# Altium PCB MLB_REV1.PcbDoc (part 3 of 3) (continued)
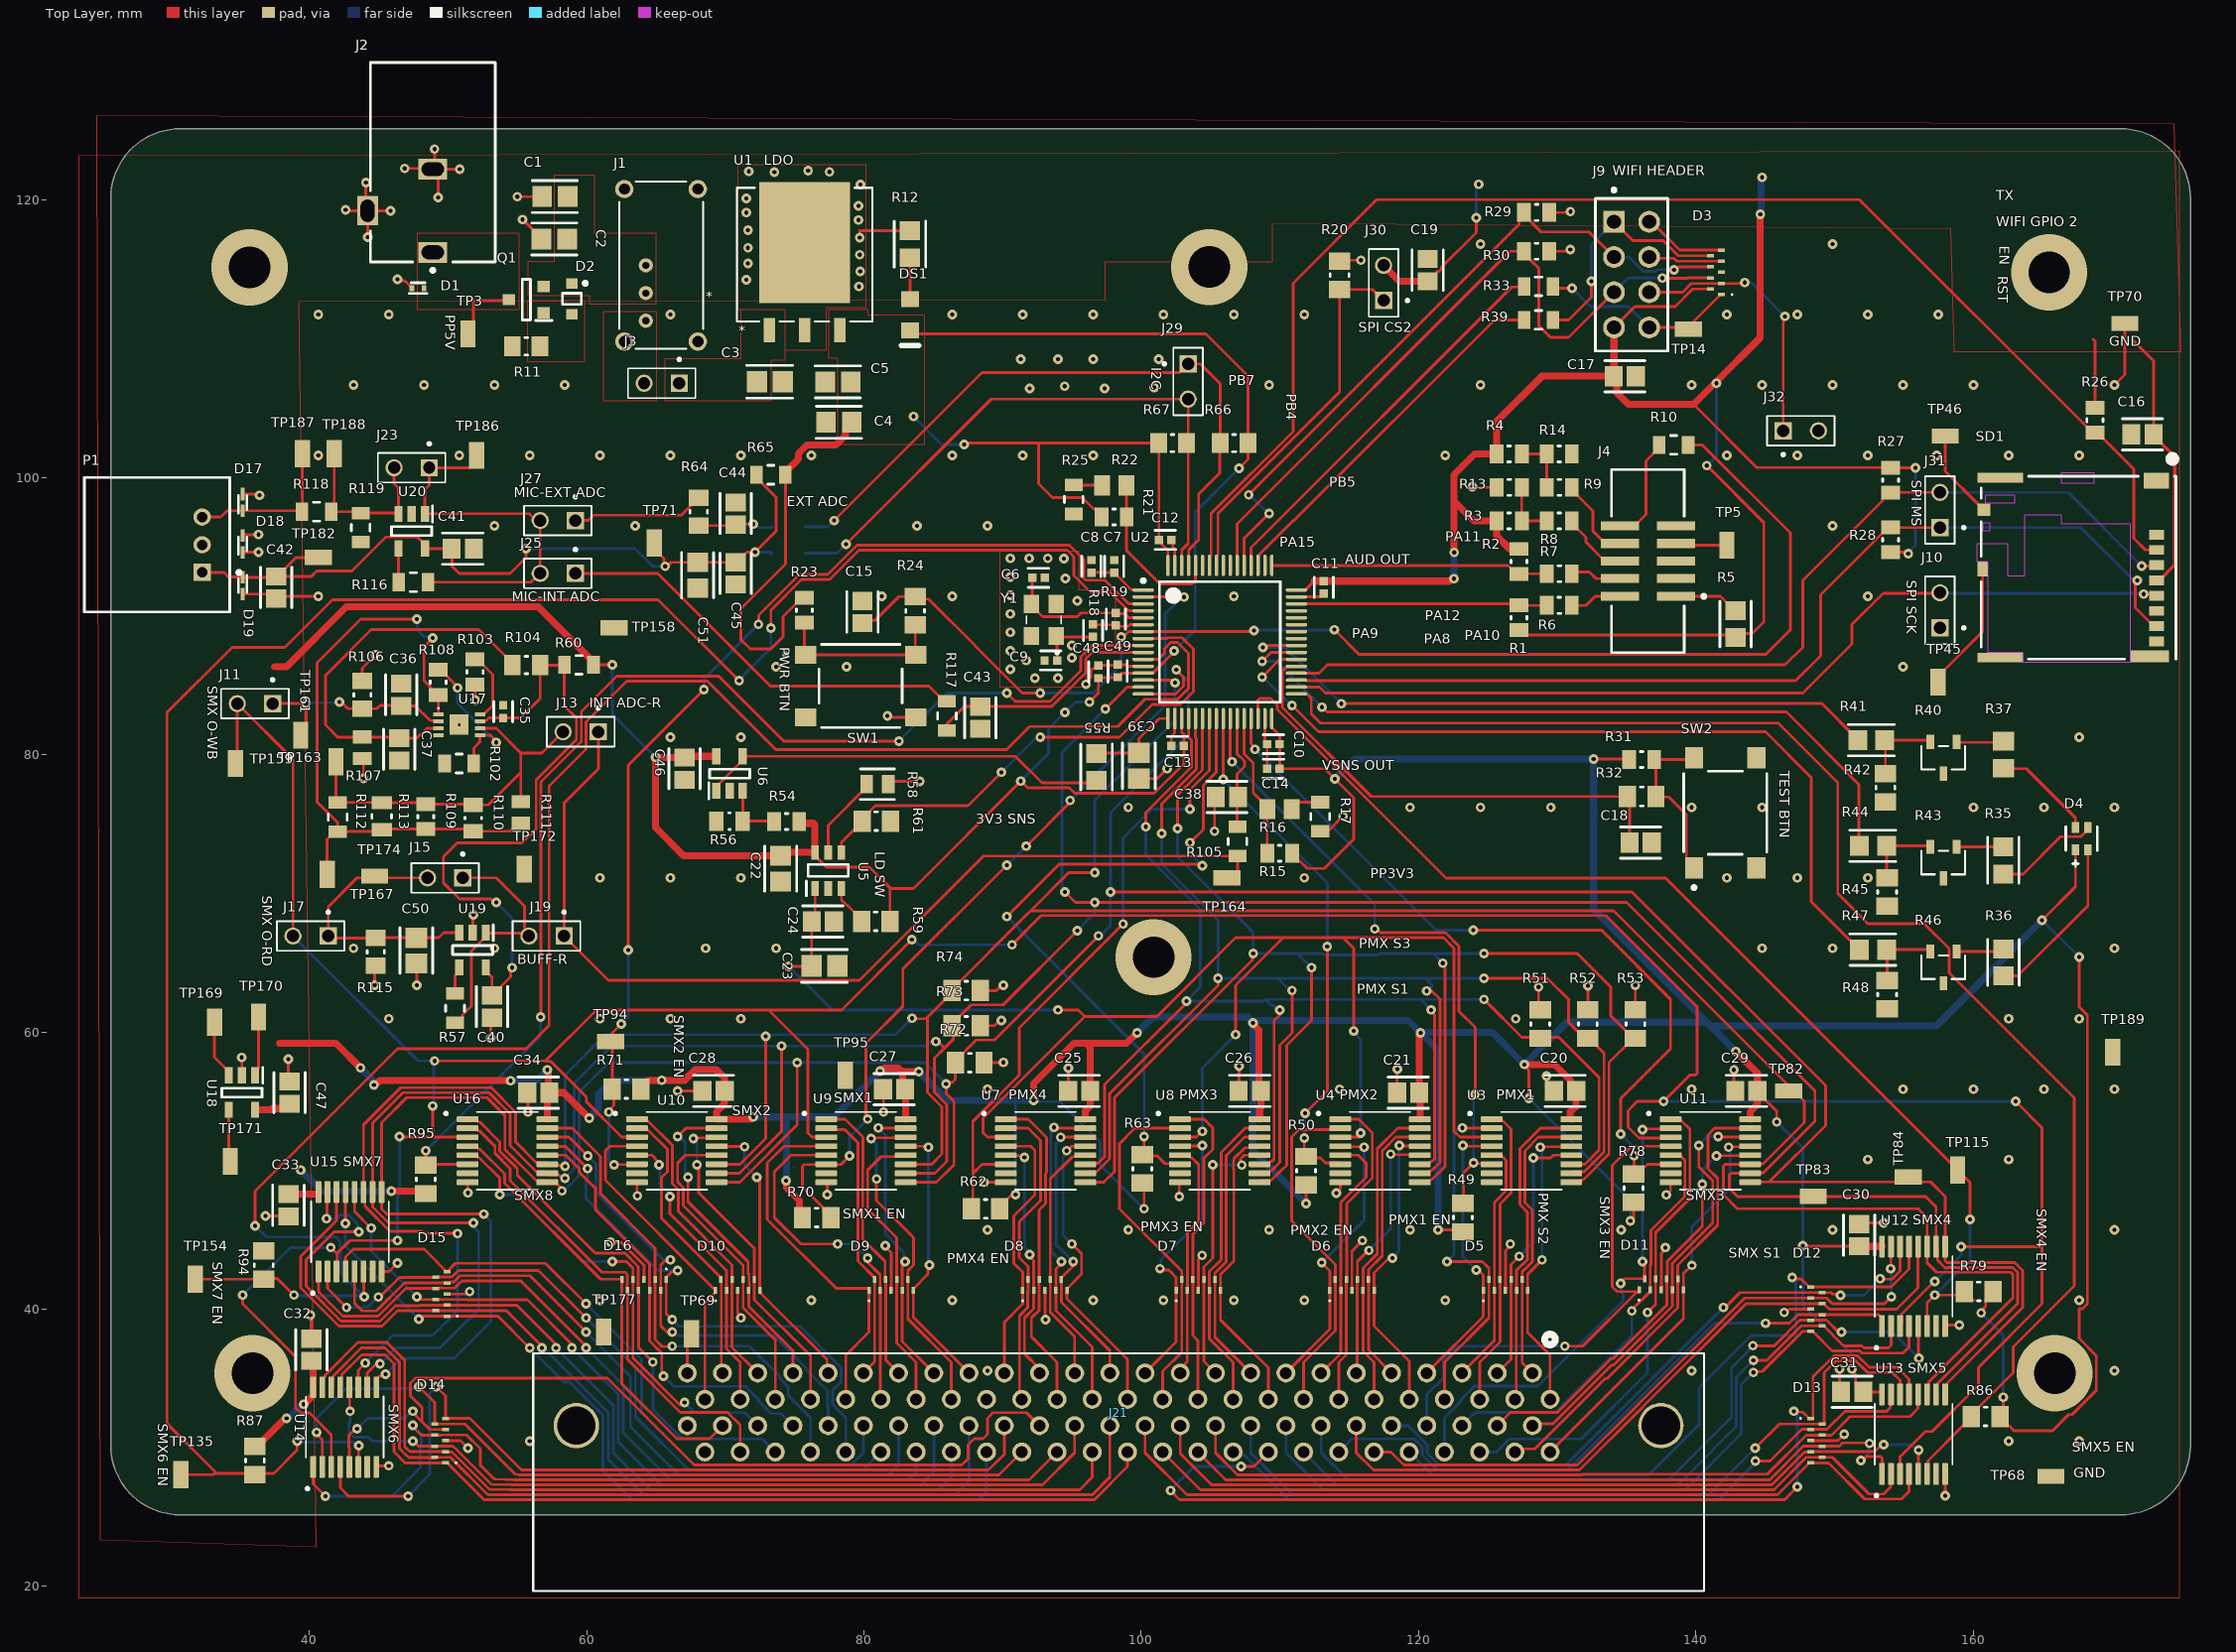
[diagram p0: Top Layer view]
## Nets (pads, with @x,y where several pads share a name; then routed paths per layer and width w, separated by ;. In a path a pad name is that pad's centre, name@x,y a point inside that pad or via, vN(x,y) a via of type N, cw(c..) or ccw(c..) an arc to the next point about the centre after c; other vN are vias at no path point) (continued)
  Bottom Layer w0.203: v1(41.148,26.516) 45.947,26.516 48.006,28.575 48.006,30.165 48.071,30.23 48.071,31.019 v1(47.467,31.623)
SENSE_MUX6_Y5: D14.4 J21.80 U14.5 | length 65.1
  Top Layer w0.203: U14.5@42.87,28.626 42.87,30 42.83,30.04 42.83,30.903 42.974,31.047 42.978,31.047 43.3,31.369 v1(43.434,31.369) ; v1(47.467,32.639) 47.467,32.539 48.122,31.884 ; D14.4@49.822,31.318 48.688,31.318 48.122,31.884 ; J21.80@92.651,31.6 91.713,32.538 89.307,32.538 88.9,32.131 88.9,30.988 88.574,30.662 87.939,30.662 87.503,30.226 87.503,29.21 87.055,28.762 67.758,28.762 61.499,35.021 47.629,35.021 47.275,34.667 47.275,33.757 48.122,32.91 48.122,31.884
  Bottom Layer w0.203: v1(43.434,31.369) 44.196,32.131 46.736,32.131 46.821,32.216 46.964,32.216 47.388,32.639 v1(47.467,32.639)
SENSE_MUX6_Y6: D14.6 J21.81 U14.2 | length 59.7
  Top Layer w0.203: v1(40.513,31.115) 40.513,31.003 40.92,30.596 U14.2@40.92,28.626 ; v1(47.879,34.417) 49.022,33.274 D14.6@49.022,31.718 51.213,31.718 54.826,28.105 55.126,28.049 55.144,28.046 89.128,28.046 89.727,28.046 J21.81@91.381,29.7
  Bottom Layer w0.203: v1(40.513,31.115) 40.513,32.131 42.649,34.267 47.512,34.267 47.567,34.322 47.784,34.322 v1(47.879,34.417)
SENSE_MUX6_Y7: D14.5 J21.82 U14.4 | length 86.6
  Top Layer w0.203: U14.4@42.22,28.626 42.22,27.122 42.826,26.516 v1(47.117,26.516) ; v1(49.149,34.417) 49.822,33.744 D14.5@49.822,32.118 51.575,32.118 55.292,28.401 ; J21.82@90.111,31.6 90.111,29.532 88.98,28.401 77.057,28.401 55.292,28.401 ; 55.292,28.401 67.442,28.401 55.292,28.401
  Bottom Layer w0.203: v1(47.117,26.516) 48.675,28.074 48.675,33.943 v1(49.149,34.417)
SENSE_MUX7_EN_L: R94.1 TP154.1 U2.11 U15.6 | length 132.9
  Top Layer w0.203: TP154.1@31.75,42.164 36.612,42.164 36.703,42.255 36.739,42.219 37.664,42.219 38.863,41.02 v1(38.881,41.02) ; v1(36.079,46.022) 36.079,48.525 46.355,58.801 55.626,58.801 57.277,60.452 57.277,77.724 59.959,80.406 59.959,82.386 62.886,85.313 68.703,85.313 73.641,80.375 90.281,80.375 91.948,82.042 98.298,82.042 100.265,84.009 102.606,84.009 103.397,84.799 103.397,87.312 102.612,88.096 102.112,88.096 101.665,87.65 101.665,87.335 101.219,86.888 U2.11@100.139,86.888 ; U15.6@43.901,42.723 43.921,42.702 43.921,40.915 v1(43.942,40.894)
  Bottom Layer w0.203: v1(36.079,46.022) 36.889,45.212 41.91,45.212 42.233,44.889 42.233,42.603 v1@43.879,40.957 ; v1(38.881,41.02) 38.944,40.957 v1@43.879,40.957 ; v1(43.942,40.894) v1@43.879,40.957
SENSE_MUX7_Y0: D15.1 J21.83 U15.13 | length 63.3
  Top Layer w0.203: v1(42.589,46.197) 42.601,46.209 U15.13@42.601,48.463 ; v1(47.879,39.293) 47.969,39.293 48.173,39.497 D15.1@49.911,39.497 53.594,39.497 v1(55.88,37.211)
  Bottom Layer w0.203: v1(42.589,46.197) 42.589,44.583 v1(47.879,39.293) ; v1(55.88,37.211) 58.353,34.738 58.784,34.738 61.162,32.36 61.162,28.373 63.267,26.268 88.244,26.268 88.841,26.865 J21.83@88.841,29.7
SENSE_MUX7_Y1: D15.9 J21.84 U15.14 | length 76.5
  Top Layer w0.203: U15.14@41.951,48.463 41.951,46.396 39.37,43.815 39.37,41.539 42.123,38.786 45.246,38.786 46.358,39.897 D15.9@49.111,39.897 54.21,39.897 v1@56.769,37.338
  Bottom Layer w0.203: J21.84@87.571,31.6 87.571,27.627 86.567,26.623 64.089,26.623 61.57,29.143 61.57,32.537 ; 61.57,32.537 56.769,37.338 61.57,32.537
  other v1: 56.769,37.211
SENSE_MUX7_Y2: D15.2 J21.85 U15.15 | length 69.4
  Top Layer w0.203: v1(41.229,46.528) 41.265,46.564 41.265,48.427 U15.15@41.301,48.463 ; v1(43.561,45.593) 41.783,45.593 39.751,43.561 39.751,41.661 42.271,39.141 45.099,39.141 46.21,40.253 47.965,40.253 48.009,40.297 D15.2@49.911,40.297 54.953,40.297 v1@57.785,37.465
  Bottom Layer w0.203: v1(41.229,46.528) 41.965,46.528 42.238,46.801 42.839,46.801 43.466,46.174 43.466,45.688 v1(43.561,45.593) ; v1(57.785,37.211) 61.926,33.07 61.926,29.641 64.588,26.979 85.399,26.979 86.301,27.881 J21.85@86.301,29.7
SENSE_MUX7_Y3: D15.8 J21.86 U15.12 | length 58
  Top Layer w0.203: U15.12@43.251,48.463 43.251,47.046 v1(44.45,45.847) ; v1(47.752,40.894) 47.949,40.697 51.286,40.697 51.312,40.671 55.722,40.671 v1@58.928,37.465
  Bottom Layer w0.203: v1(44.45,45.847) 44.45,44.196 v1(47.752,40.894) ; v1(58.928,37.211) 62.281,33.858 62.281,30.429 65.375,27.335 84.104,27.335 85.031,28.262 J21.86@85.031,31.6
SENSE_MUX7_Y4: D15.7 J21.87 U15.1 | length 55.9
  Top Layer w0.203: U15.1@40.651,42.723 40.651,41.264 42.418,39.497 44.952,39.497 46.953,41.498 48.963,41.498 48.964,41.497 D15.7@49.111,41.497 49.134,41.52 49.366,41.52 49.375,41.53 49.544,41.53 49.556,41.518 50.472,41.518 50.991,42.037 55.245,42.037 v1@59.944,37.338
  Bottom Layer w0.203: v1(59.944,37.211) 62.637,34.518 62.637,31.089 66.036,27.69 83.189,27.69 83.761,28.262 J21.87@83.761,29.7
SENSE_MUX7_Y5: D15.4 J21.88 U15.5 | length 54
  Top Layer w0.203: U15.5@43.251,42.723 43.251,40.442 43.815,39.878 44.83,39.878 46.849,41.897 D15.4@49.911,41.897 49.934,41.92 50.136,41.92 50.178,41.962 50.414,41.962 50.869,42.418 55.896,42.418 59.944,38.37 v1(59.944,38.354)
  Bottom Layer w0.203: v1(59.944,38.354) 63.154,35.144 63.154,31.514 66.622,28.046 81.767,28.046 82.491,28.77 J21.88@82.491,31.6
SENSE_MUX7_Y6: D15.6 J21.89 U15.2 | length 51.4
  Top Layer w0.203: U15.2@41.301,42.723 41.301,41.503 v1(42.672,40.132) ; v1(44.975,40.877) 45.068,40.877 46.488,42.297 D15.6@49.111,42.297 49.134,42.32 49.366,42.32 49.375,42.33 49.544,42.33 49.556,42.318 49.829,42.318 50.266,42.318 50.747,42.799 56.515,42.799 v1(59.944,39.37)
  Bottom Layer w0.203: v1(42.672,40.132) 44.159,40.132 44.904,40.877 v1(44.975,40.877) ; v1(59.944,39.37) 63.509,35.805 63.509,32.249 67.357,28.401 79.922,28.401 J21.89@81.221,29.7
SENSE_MUX7_Y7: D15.5 J21.90 U15.4 | length 50.1
  Top Layer w0.203: U15.4@42.601,42.723 42.601,43.749 43.175,44.323 48.285,44.323 D15.5@49.911,42.697 50.521,43.307 57.023,43.307 v1(59.944,40.386)
  Bottom Layer w0.203: v1(59.944,40.386) 63.968,36.362 63.968,32.521 67.728,28.762 79.07,28.762 79.951,29.643 J21.90@79.951,31.6
SENSE_MUX8_EN_L: R95.1 U2.9 U16.6 | length 88.2
  Top Layer w0.203: R95.1@48.387,50.392 v1(48.387,51.435) ; U16.6@51.41,50.46 R95.1@48.555,50.46 ; v1(56.673,61.087) 56.703,61.117 56.703,78.039 59.603,80.939 59.603,83.098 62.174,85.669 69.525,85.669 74.215,80.979 v1(82.51,80.979) ; v1(90.297,84.455) 90.901,83.851 93.416,83.851 95.631,86.066 95.631,87.075 96.444,87.888 U2.9@100.139,87.888 ; R95.1@48.555,50.46 48.387,50.292 R95.1@48.555,50.46
  Bottom Layer w0.203: v1(48.387,51.435) 56.673,59.721 v1(56.673,61.087) ; v1(82.51,80.979) 85.986,84.455 v1(90.297,84.455)
SENSE_MUX8_Y0: D16.1 J21.91 U16.13 | length 39.1
  Top Layer w0.203: U16.13@57.15,51.76 57.175,51.735 58.466,51.735 v1(60.054,50.148) ; v1(66.167,39.243) 65.735,39.675 65.735,42.289 66.15,42.704 66.453,42.704 v1(66.548,42.799)
  Bottom Layer w0.203: v1(60.054,50.148) 60.046,50.14 60.046,49.493 59.944,49.391 59.944,48.006 65.151,42.799 v1(66.548,42.799) ; v1(66.167,39.243) 66.644,38.766 75.372,38.766 78.349,35.789 78.349,34.753 77.743,34.147 77.743,33.111 78.681,32.173 J21.91@78.681,29.7
SENSE_MUX8_Y1: D16.9 J21.92 U16.14 | length 35.7
  Top Layer w0.203: U16.14@57.15,52.41 58.715,52.41 v1(60.071,51.054) ; v1(66.04,43.561) 65.945,43.466 65.605,43.466 65.335,43.196 D16.9@65.335,41.364 65.335,38.805 65.892,38.248 65.904,38.259 66.072,38.259 v1(66.167,38.354)
  Bottom Layer w0.203: v1(60.071,51.054) 60.658,50.467 60.658,48.435 65.526,43.567 66.034,43.567 v1(66.04,43.561) ; v1(66.167,38.354) 66.28,38.354 66.534,38.1 73.498,38.1 75.809,35.789 75.809,35.675 77.387,34.097 77.387,32.964 77.411,32.941 J21.92@77.411,31.6
SENSE_MUX8_Y2: D16.2 J21.93 U16.15 | length 36
  Top Layer w0.203: U16.15@57.15,53.06 58.954,53.06 60.985,51.029 60.985,48.362 64.935,44.412 D16.2@64.935,42.164 64.935,37.808 65.448,37.295 66.124,37.295 v1(66.167,37.338)
  Bottom Layer w0.203: v1(66.167,37.338) 71.72,37.338 73.933,35.125 73.933,35.011 74.539,34.405 74.539,33.775 76.141,32.173 J21.93@76.141,29.7
SENSE_MUX8_Y3: D16.8 J21.94 U16.12 | length 31.1
  Top Layer w0.203: U16.12@57.15,51.11 58.493,51.11 59.45,50.154 59.45,49.897 60.63,48.717 60.63,47.178 64.535,43.273 D16.8@64.535,41.364 64.535,37.705 65.405,36.835 65.405,35.298 65.524,35.179 v1(65.532,35.179)
  Bottom Layer w0.203: v1(65.532,35.179) 66.273,34.438 71.45,34.438 72.378,33.509 72.378,33.396 73.307,32.467 74.004,32.467 J21.94@74.871,31.6
SENSE_MUX8_Y4: D16.7 J21.95 U16.1 | length 38.2
  Top Layer w0.203: U16.1@51.41,53.71 51.99,53.71 52.181,53.519 52.27,53.519 53.732,52.057 53.732,51.406 54.991,50.147 54.991,49.657 60.61,44.038 62.764,44.038 63.714,43.088 63.714,41.809 63.702,41.797 63.702,41.628 63.712,41.619 63.712,41.387 D16.7@63.735,41.364 63.735,37.23 v1(64.77,36.195)
  Bottom Layer w0.203: v1(64.77,36.195) 64.77,32.755 66.887,30.638 72.663,30.638 J21.95@73.601,29.7
SENSE_MUX8_Y5: D16.4 J21.96 U16.5 | length 33.6
  Top Layer w0.203: U16.5@51.41,51.11 51.99,51.11 52.134,50.966 52.223,50.966 53.721,49.468 v1(53.721,48.26) ; v1(61.849,43.434) 62.865,43.434 63.335,42.964 D16.4@63.335,42.164 63.335,36.487 66.718,33.104 66.752,33.104 66.922,33.274 v1(67.056,33.274)
  Bottom Layer w0.203: v1(53.721,48.26) 54.864,48.26 59.69,43.434 v1(61.849,43.434) ; v1(67.056,33.274) 67.792,32.538 71.393,32.538 J21.96@72.331,31.6
SENSE_MUX8_Y6: D16.6 J21.97 U16.2 | length 34.9
  Top Layer w0.203: U16.2@51.41,53.06 51.99,53.06 52.181,52.869 52.27,52.869 53.377,51.763 53.377,51.258 54.483,50.152 54.483,49.276 61.091,42.668 62.765,42.668 62.914,42.519 62.914,41.809 62.902,41.797 62.902,41.628 62.912,41.619 62.912,41.387 D16.6@62.935,41.364 62.935,36.384 66.757,32.562 70.156,32.562 71.061,31.657 J21.97@71.061,29.7
SENSE_MUX8_Y7: D16.5 J21.98 U16.4 | length 32.3
  Top Layer w0.203: U16.4@51.41,51.76 51.99,51.76 52.181,51.569 52.27,51.569 54.077,49.763 54.077,49.093 61.006,42.164 D16.5@62.535,42.164 62.535,34.62 66.493,30.662 68.853,30.662 J21.98@69.791,31.6
SENSE_MUX_OUT: J11.2 J17.2 TP95.1 TP159.1 U9.3 U10.3 U11.3 U12.3 U13.3 U14.3 U15.3 U16.3 | length 290.3
  Top Layer w0.203: TP159.1@34.671,79.375 34.798,79.502 J11.2@34.798,83.693 38.811,79.68 J17.2@38.811,66.929 ; v1(35.179,41.021) 35.179,40.386 38.989,36.576 38.989,32.885 39.362,32.512 40.005,32.512 41.57,30.947 U14.3@41.57,28.626 ; v1(41.529,44.45) 41.943,44.036 42.004,44.036 ; U15.3@41.951,42.723 42.004,42.776 42.004,44.036 ; v1(46.355,44.958) 42.926,44.958 42.004,44.036 ; v1(46.482,52.451) 46.503,52.43 48.895,52.43 ; v1(48.895,54.666) 48.895,52.43 ; v1(49.022,57.912) 57.023,57.912 ; U16.3@51.41,52.41 51.389,52.43 48.895,52.43 ; U10.3@63.622,52.41 62.532,52.41 59.966,54.976 59.966,55.315 57.4,57.881 57.054,57.881 57.023,57.912 ; U9.3@77.267,52.41 76.241,52.41 75.946,52.705 75.946,58.766 73.117,61.595 ; v1(83.447,66.667) 78.376,61.595 73.117,61.595 ; v1(90.678,66.294) 92.783,68.399 133.502,68.399 140.081,61.82 140.081,57.015 139.962,56.896 139.573,56.896 v1(137.668,54.991) 135.755,54.991 135.636,54.872 135.636,54.864 135.103,54.331 135.103,53.148 135.897,52.353 138.119,52.353 U11.3@138.176,52.41 ; U13.3@154.727,28.118 154.727,29.353 156.549,31.176 157.033,31.176 160.388,34.531 160.388,35.801 164.973,40.386 164.973,44.518 ; U12.3@154.727,38.786 154.83,38.889 154.83,39.641 157.226,42.037 157.226,42.02 v1(157.233,42.013) ; v1(159.122,44.518) 164.973,44.518 ; v1(163.068,54.991) 164.973,53.086 164.973,44.518 ; 57.023,57.912 60.706,61.595 73.117,61.595
  Bottom Layer w0.203: v1(35.179,41.021) 38.608,44.45 v1(41.529,44.45) ; J17.2@38.811,66.929 47.828,57.912 v1(49.022,57.912) 48.959,57.848 48.959,54.8 48.895,54.737 v1(48.895,54.666) ; v1(46.355,44.958) 46.355,48.106 46.512,48.264 46.512,52.421 v1(46.482,52.451) ; v1(83.447,66.667) 83.582,66.667 83.954,66.294 v1(90.678,66.294) ; v1(137.668,54.991) v1(163.068,54.991) ; v1(157.233,42.013) 159.131,43.91 159.131,44.508 v1(159.122,44.518)
SENSE_MUX_S1: R74.2 TP82.1 U2.14 U9.11 U10.11 U11.11 U12.11 U13.11 U14.11 U15.11 U16.11 | length 251.8
  Top Layer w0.203: U14.11@43.52,34.366 43.52,35.599 44.023,36.102 v1(44.023,36.114) ; v1(50.673,45.466) 48.252,45.466 48.094,45.624 45.807,45.624 44.004,47.427 44.004,47.78 43.901,47.883 43.901,53.299 46.584,55.982 53.104,55.982 54.864,54.222 54.864,52.077 56.377,50.563 57.047,50.563 U16.11@57.15,50.46 57.223,50.387 58.362,50.387 v1(58.435,50.314) ; U10.11@69.362,50.46 71.034,50.46 72.898,52.324 v1(72.898,59.69) ; U9.11@83.007,50.46 84.877,50.46 85.623,51.206 85.623,54.6 84.582,55.641 84.582,60.96 84.458,60.96 ; v1(83.471,60.991) 83.439,60.96 84.458,60.96 ; R74.2@86.351,62.992 R74.2@86.251,62.992 ; v1(96.647,71.501) 94.76,71.501 92.013,68.754 ; U2.14@100.139,85.388 102.246,85.388 v1(102.437,85.197) ; U13.11@156.677,33.858 156.78,33.961 156.78,34.733 162.865,40.818 162.865,42.504 162.706,42.663 157.362,42.663 156.677,43.348 U12.11@156.677,44.526 156.677,46.609 156.042,47.244 143.002,47.244 141.986,48.26 141.986,50.341 142.105,50.46 U11.11@143.916,50.46 143.956,50.5 144.861,50.5 147.828,53.467 147.828,54.991 134.065,68.754 99.491,68.754 92.013,68.754 ; 84.458,60.96 84.52,61.022 85.817,62.319 85.828,62.319 85.828,62.569 R74.2@86.251,62.992 ; R74.2@86.251,62.992 91.658,68.399 92.013,68.754
  Bottom Layer w0.203: v1(44.023,36.114) 46.009,38.1 48.895,38.1 50.673,39.878 v1(50.673,45.466) ; v1(58.435,50.314) 58.435,56.901 61.351,59.817 72.531,59.817 72.563,59.785 72.739,59.785 72.771,59.817 v1(72.898,59.69) ; v1@72.803,59.785 73.233,59.785 73.265,59.817 82.296,59.817 v1(83.471,60.991) ; v1(96.647,71.501) 96.647,76.708 102.437,82.498 v1(102.437,85.197)
SENSE_MUX_S2: R73.2 TP83.1 U2.15 U9.10 U10.10 U11.10 U12.10 U13.10 U14.10 U15.10 U16.10 | length 290.4
  Top Layer w0.203: U14.10@44.17,34.366 44.17,35.407 44.736,35.973 44.99,35.973 v1(45.085,36.068) ; v1(51.816,46.228) 45.706,46.228 44.561,47.373 44.561,48.453 U15.10@44.551,48.463 44.551,53.441 46.736,55.626 52.957,55.626 54.483,54.1 54.483,51.808 56.377,49.913 57.047,49.913 U16.10@57.15,49.81 57.253,49.707 57.989,49.707 58.166,49.53 58.338,49.53 v1(58.421,49.446) ; U10.10@69.362,49.81 71.019,49.81 74.046,52.837 v1(74.046,58.989) ; U9.10@83.007,49.81 85.116,49.81 85.979,50.673 85.979,54.747 85.065,55.662 85.065,58.106 85.806,58.847 ; v1(85.186,59.309) 85.281,59.214 85.439,59.214 85.806,58.847 ; v1(94.488,70.104) 95.25,69.342 96.631,69.342 v1(96.647,69.358) ; v1(95.377,67.31) 90.03,61.963 87.712,61.963 R73.2@86.451,60.702 ; v1(97.409,83.312) 98.985,84.888 U2.15@100.139,84.888 ; U13.10@157.327,33.858 U13.10@157.43,33.961 ; U13.10@157.43,34.621 157.518,34.709 157.518,34.718 157.697,34.897 157.706,34.897 163.22,40.411 163.22,42.652 162.853,43.019 157.949,43.019 157.43,43.537 157.43,44.423 U12.10@157.327,44.526 157.327,47.371 156.573,48.125 143.01,48.125 142.415,48.72 142.415,49.691 142.534,49.81 U11.10@143.916,49.81 143.952,49.846 144.864,49.846 148.59,53.572 148.59,55.753 135.001,69.342 ; 85.806,58.847 86.451,59.492 ; 86.451,59.492 R73.2@86.451,60.702 ; 86.451,59.492 R73.2@86.451,60.702 ; 135.001,69.342 96.647,69.342 135.001,69.342
  Bottom Layer w0.203: v1(45.085,36.068) 46.228,37.211 49.403,37.211 50.419,38.227 50.435,38.227 52.197,39.989 52.197,45.593 51.911,45.879 51.911,46.133 v1(51.816,46.228) ; v1(58.421,49.446) 59.094,50.119 59.094,56.3 61.783,58.989 v1(74.046,58.989) 84.516,58.989 84.836,59.309 v1(85.186,59.309) ; v1(94.488,70.104) 94.488,70.238 94.265,70.461 94.265,80.168 v1(97.409,83.312) ; v1(95.377,67.31) 96.647,68.58 v1(96.647,69.358)
SENSE_MUX_S3: R72.2 TP84.1 U2.16 U9.9 U10.9 U11.9 U12.9 U13.9 U14.9 U15.9 U16.9 | length 254.9
  Top Layer w0.203: U14.9@44.82,34.366 44.923,34.469 44.923,35.058 45.042,35.177 45.226,35.177 45.363,35.313 v1(45.497,35.313) ; v1(52.578,46.863) 45.574,46.863 45.201,47.236 U15.9@45.201,48.463 45.201,53.456 47.015,55.27 52.809,55.27 54.102,53.978 54.102,51.539 56.377,49.263 57.047,49.263 U16.9@57.15,49.16 57.73,49.16 58.249,48.641 58.293,48.641 58.293,48.616 v1(58.214,48.537) ; U10.9@69.362,49.16 71.039,49.16 75.184,53.305 v1(75.184,57.785) ; U9.9@83.007,49.16 85.228,49.16 86.487,50.419 86.487,54.991 85.923,55.555 v1(85.923,56.261) 86.018,56.356 86.356,56.356 86.578,56.578 ; v1(96.901,66.929) 89.395,59.423 88.093,59.423 R72.2@86.578,57.908 ; v1(97.79,70.104) 135.382,70.104 149.352,56.134 149.352,53.242 145.288,49.178 ; U2.16@100.139,84.388 102.483,84.388 103.041,84.946 103.041,85.613 v1(102.52,86.134) ; U11.9@143.916,49.16 143.934,49.178 145.288,49.178 ; U13.9@157.977,33.858 158.08,33.961 158.08,34.636 163.576,40.132 163.576,42.799 163.001,43.374 158.096,43.374 157.977,43.494 U12.9@157.977,44.526 157.977,48.133 156.932,49.178 145.288,49.178 ; 86.578,56.578 R72.2@86.578,57.908 ; 86.578,56.578 R72.2@86.578,57.908
  Bottom Layer w0.203: v1(45.497,35.313) 46.641,36.458 50.428,36.458 53.086,39.116 53.086,46.355 v1(52.578,46.863) ; v1(58.214,48.537) 58.349,48.537 58.654,48.843 58.671,48.843 59.45,49.621 59.45,55.64 61.595,57.785 84.399,57.785 v1(85.923,56.261) ; v1(96.901,66.929) 97.028,66.929 97.759,67.66 97.759,70.073 v1(97.79,70.104) 97.79,75.819 103.378,81.407 103.378,85.276 v1(102.52,86.134)
SENSE_OUT: C38.1 R105.2 U2.27 | length 12.1
  Top Layer w0.203: U2.27@106.914,82.613 106.914,80.07 107.442,79.542 107.442,79.159 106.914,78.631 ; R105.2@106.934,74.803 R105.2@106.914,74.823 ; C38.1@106.973,76.962 C38.1@106.914,76.962 ; R105.2@106.914,74.823 C38.1@106.914,76.962 ; R105.2@106.914,74.823 C38.1@106.914,76.962 ; C38.1@106.914,76.962 106.914,78.631 ; C38.1@106.914,76.962 106.914,78.631
SENSE_OUT_R: J13.1 J19.1 R105.1 TP164.1 | length 71.4
  Top Layer w0.203: J13.1@60.833,81.661 60.833,78.994 58.369,76.53 J19.1@58.369,66.929 61.56,63.738 79.665,63.738 88.63,72.703 R105.1@106.934,72.703 106.934,71.568 106.486,71.12 TP164.1@106.172,71.12
SPI_CS2_L: J30.1 R20.2 U2.57 | length 27.1
  Top Layer w0.203: U2.57@105.414,93.663 105.414,94.326 105.535,94.447 105.535,97.407 114.3,106.172 R20.2@114.3,113.577 116.674,113.577 J30.1@117.475,112.776
SPI_MISO: J31.1 R28.1 SD1.7 U2.35 | length 73.5
  Top Layer w0.203: U2.35@111.189,85.388 111.852,85.388 111.896,85.344 147.193,85.344 148.998,87.149 148.998,91.537 153.478,96.017 153.876,96.415 R28.1@154.051,96.415 154.073,96.393 J31.1@157.607,96.393 ; v1(171.83,92.583) 171.83,92.449 171.704,92.322 171.704,90.605 173.028,89.281 SD1.7@173.228,89.281
  Bottom Layer w0.203: J31.1@157.607,96.393 167.767,96.393 171.482,92.678 171.735,92.678 v1(171.83,92.583)
SPI_MOSI: J31.2 R27.1 SD1.3 U2.36 | length 72.9
  Top Layer w0.203: U2.36@111.189,85.888 112.812,85.888 113.411,86.487 146.431,86.487 147.701,87.757 147.701,92.572 153.478,98.349 153.478,98.524 153.876,98.922 R27.1@154.051,98.922 154.062,98.933 J31.2@157.607,98.933 ; v1(172.165,93.628) SD1.3@173.175,93.628 ; SD1.3@173.028,93.628 SD1.3@173.175,93.628 ; SD1.3@173.028,93.681 SD1.3@173.228,93.681 SD1.3@173.175,93.628
  Bottom Layer w0.203: J31.2@157.607,98.933 166.86,98.933 v1(172.165,93.628)
SPI_SCK: J10.2 SD1.5 U2.34 | length 65.9
  Top Layer w0.203: U2.34@111.189,84.888 112.851,84.888 113.284,84.455 147.701,84.455 151.257,88.011 151.257,89.408 153.499,91.65 157.563,91.65 J10.2@157.607,91.694 ; v1(172.308,91.596) 173.113,91.596 SD1.5@173.228,91.481
  Bottom Layer w0.203: J10.2@157.861,91.694 157.91,91.645 172.259,91.645 v1(172.308,91.596)
SWDCLK: R2.1 R7.2 U2.49 | length 20.1
  Top Layer w0.203: U2.49@109.414,93.663 126.456,93.663 127.065,93.054 R2.1@127.24,93.054 127.251,93.065 R7.2@129.25,93.065
SWDIO: R1.1 R6.2 U2.46 | length 20.1
  Top Layer w0.203: U2.46@111.189,90.888 127.142,90.888 R1.1@127.24,90.79 ; R1.1@127.24,90.779 R6.2@129.25,90.779 R1.1@127.24,90.779
UART_RX: R39.1 U2.51 | length 27.1
  Top Layer w0.203: U2.51@108.414,93.663 108.414,94.326 108.535,94.447 108.535,94.47 110.941,96.876 110.973,96.876 125.476,111.379 R39.1@127.728,111.379
UART_TX: R33.1 U2.52 | length 28.8
  Top Layer w0.203: U2.52@107.914,93.663 107.914,94.955 126.717,113.757 127.566,113.757 R33.1@127.601,113.792
WIFI_EN: D3.7 J9.3 R29.2 U2.53 | length 50.4
  Top Layer w0.203: U2.53@107.414,93.663 107.414,95.603 v1(109.22,97.409) ; v1(107.742,98.76) 108.128,99.146 127.261,118.279 127.261,118.599 R29.2@127.613,118.951 ; R29.2@127.613,119.126 R29.2@127.613,118.951 ; J9.3@134.092,115.913 132.276,117.729 128.835,117.729 R29.2@127.613,118.951 ; v1(138.43,114.993) 138.564,114.993 138.779,115.208 D3.7@141.059,115.208
  Bottom Layer w0.203: v1(107.742,98.76) 107.806,98.76 109.156,97.409 v1(109.22,97.409) ; J9.3@134.092,115.913 134.111,115.894 135.182,115.894 136.202,114.874 137.136,114.874 137.266,115.005 138.418,115.005 v1(138.43,114.993)
WIFI_GPIO0: D3.2 J9.6 J32.1 | length 19.4
  Top Layer w0.203: J9.6@136.632,113.373 139.039,113.373 139.674,114.008 D3.2@141.859,114.008 v1@143.548,114.008 ; J32.1@146.304,103.378 146.304,111.252 146.336,111.284 146.336,111.538 v1(146.431,111.633)
  Bottom Layer w0.203: v1(143.523,114.075) 143.989,114.075 v1(146.431,111.633)
WIFI_GPIO2: D3.4 J9.4 | length 5.4
  Top Layer w0.203: J9.4@136.632,115.913 136.721,115.824 138.405,115.824 138.621,115.608 D3.4@141.859,115.608
WIFI_RST: D3.8 J9.5 R30.2 U2.54 | length 52
  Top Layer w0.203: U2.54@106.914,93.861 106.914,96.667 126.579,116.332 R30.2@127.613,116.332 127.613,116.157 128.011,115.759 128.659,115.111 128.659,110.962 129.512,110.109 130.828,110.109 J9.5@134.092,113.373 ; v1(137.592,114.401) 137.604,114.389 139.357,114.389 139.375,114.408 D3.8@141.059,114.408
  Bottom Layer w0.203: J9.5@134.092,113.373 135.131,114.412 137.581,114.412 v1(137.592,114.401)
WIFI_RX: D3.1 J9.8 R33.2 TP14.1 | length 14.4
  Top Layer w0.203: R33.2@129.701,113.792 129.828,113.665 v1(131.064,113.665) ; J9.8@136.632,110.833 139.408,110.833 141.711,113.136 141.711,113.185 141.734,113.208 D3.1@141.859,113.208
  Bottom Layer w0.203: v1(131.064,113.665) 132.397,112.332 135.133,112.332 J9.8@136.632,110.833
WIFI_TX: D3.6 J9.1 R39.2 | length 17.4
  Top Layer w0.203: R39.2@129.828,111.379 130.81,111.379 132.461,113.03 v1(132.461,114.173) ; J9.1@134.092,118.453 135.451,117.094 137.638,117.094 138.724,116.008 D3.6@141.059,116.008
  Bottom Layer w0.203: v1(132.461,114.173) 132.461,116.822 J9.1@134.092,118.453
pads on no net: J1.3 J1.4 J1.5 J1.6 J1.7 SD1.1 SD1.8 U3.7 U4.7 U7.7 U8.7 U9.7 U10.7 U11.7 U12.7 U13.7 U14.7 U15.7 U16.7

## Polygon pours and split planes (outlines as drawn)
GND on Top Layer "NONET_L01_P010" (solid, remove dead copper, shelved, pour order 10): 23.368,123.19 23.368,19.177 174.879,19.177 174.879,123.571
PP3V3 on Top Layer "NONET_L01_P007" (solid, remove dead copper, shelved, pour order 7): 24.638,126.111 24.892,23.368 40.513,22.86 39.245,112.712 97.409,112.839 97.409,115.57 109.474,115.57 109.474,118.364 158.369,117.983 158.623,109.093 175.006,109.093 174.498,125.476
PP3V3 on Top Layer "NONET_L01_P009" (solid, remove dead copper, shelved, pour order 9): 77.47,112.141 80.264,112.141 80.264,111.76 84.328,111.76 84.328,102.362 78.105,102.362 78.105,108.585 77.47,108.585
GND on Top Layer "NONET_L01_P006" (solid, remove dead copper, shelved, pour order 6): 70.866,122.555 70.866,112.141 74.295,112.141 74.295,109.22 77.305,109.22 77.305,112.268 80.137,112.268 80.137,122.555
GND on Top Layer "GND_osc" (solid, remove dead copper, shelved, pour order 13): 89.789,94.678 89.789,84.9 96.012,84.9 96.012,87.694 98.171,87.694 98.171,91.885 95.504,91.885 95.504,94.678
PP5V_SW2 on Top Layer "NONET_L01_P005" (solid, remove dead copper, shelved, pour order 5): 65.659,108.585 71.12,108.585 71.12,112.141 74.295,112.141 74.295,108.458 73.279,108.458 73.279,105.537 65.659,105.537
PP5V_SW1 on Top Layer "NONET_L01_P004" (solid, remove dead copper, shelved, pour order 4): 61.214,112.014 65.024,112.014 65.024,105.537 61.214,105.537
NetD2_2 on Top Layer "NONET_L01_P003" (solid, remove dead copper, shelved, pour order 3): 55.753,112.776 59.817,112.776 59.817,108.331 55.753,108.331
PP5V_RVP on Top Layer "NONET_L01_P002" (solid, remove dead copper, shelved, pour order 2): 55.753,113.157 60.198,113.157 60.198,112.522 65.024,112.522 65.024,117.602 60.579,117.602 60.579,121.793 57.658,121.793 57.658,115.57 55.753,115.57
PP5V_CONN on Top Layer "NONET_L01_P000" (solid, remove dead copper, shelved, pour order 0): 47.752,117.602 47.752,112.141 55.118,112.141 55.118,117.602
GND on Bottom Layer "NONET_L02_P008" (solid, remove dead copper, shelved, pour order 8): 22.352,122.555 22.352,18.542 173.863,18.542 173.863,122.936

## Silkscreen, mask and mechanical layers (free items; w line width, h text height)
Top Overlay:
  text "LDO" at 72.771,122.315 h1.27
  text "WIFI HEADER" at 133.985,121.539 h1.27
  text "TX" at 161.671,119.761 h1.27
  text "WIFI GPIO 2" at 161.671,117.87 h1.27
  text "EN" at 161.671,116.713 h1.27 r270
  text "RST" at 161.558,114.554 h1.27 r270
  text "PP5V" at 49.544,111.76 h1.27 r270
  text "SPI CS2" at 115.654,110.232 h1.27
  text "GND" at 169.799,109.234 h1.27
  text "I2C" at 100.471,107.95 h1.27 r270
  text "PB7" at 106.299,106.426 h1.27
  text "PB4" at 110.236,106.045 h1.27 r270
  text "SPI MS" at 155.335,99.822 h1.27 r270
  text "PB5" at 113.538,99.074 h1.27
  text "MIC-EXT ADC" at 54.737,98.312 h1.27
  text "EXT ADC" at 74.422,97.677 h1.27
  text "PA11" at 121.92,95.123 h1.27
  text "PA15" at 109.982,94.756 h1.27
  text "AUD OUT" at 114.681,93.486 h1.27
  text "SPI SCK" at 154.954,92.583 h1.27 r270
  text "MIC-INT ADC" at 54.61,90.819 h1.27
  text "PA12" at 120.469,89.438 h1.27
  text "PA9" at 115.189,88.152 h1.27
  text "PA10" at 123.317,88.025 h1.27
  text "PA8" at 120.396,87.771 h1.27
  text "PWR BTN" at 73.66,87.757 h1.27 r270
  text "SMX O-WB" at 32.399,84.963 h1.27 r270
  text "INT ADC-R" at 60.173,83.152 h1.27
  text "TEST BTN" at 145.81,78.867 h1.27 r270
  text "VSNS OUT" at 113.031,78.627 h1.27
  text "3V3 SNS" at 88.057,74.774 h1.27
  text "LD SW" at 80.532,73.025 h1.27 r270
  text "PP3V3" at 116.505,70.835 h1.27
  text "SMX O-RD" at 36.336,69.85 h1.27 r270
  text "PMX S3" at 115.697,65.8 h1.27
  text "BUFF-R" at 54.991,64.657 h1.27
  text "PMX S1" at 115.57,62.498 h1.27
  text "SMX2 EN" at 66.054,61.214 h1.27 r270
  text "PMX3" at 102.743,54.878 h1.27
  text "PMX4" at 90.424,54.864 h1.27
  text "PMX2" at 114.3,54.864 h1.27
  text "PMX1" at 125.603,54.864 h1.27
  text "SMX1" at 77.841,54.667 h1.27
  text "SMX2" at 70.485,53.735 h1.27
  text "SMX7" at 42.418,50.052 h1.27
  text "PMX S2" at 128.411,48.387 h1.27 r270
  text "SMX3 EN" at 132.856,48.133 h1.27 r270
  text "SMX3" at 139.273,47.615 h1.27
  text "SMX8" at 54.768,47.596 h1.27
  text "SMX4 EN" at 164.352,47.244 h1.27 r270
  text "SMX1 EN" at 78.46,46.276 h1.27
  text "PMX1 EN" at 117.856,45.847 h1.27
  text "SMX4" at 155.65,45.858 h1.27
  text "PMX3 EN" at 99.949,45.353 h1.27
  text "PMX2 EN" at 110.744,45.085 h1.27
  text "SMX S1" at 142.367,43.448 h1.27
  text "SMX7 EN" at 32.78,43.434 h1.27 r270
  text "PMX4 EN" at 85.979,43.053 h1.27
  text "SMX5" at 155.28,35.161 h1.27
  text "SMX6" at 45.48,33.147 h1.27 r270
  text "SMX6 EN" at 28.843,31.75 h1.27 r270
  text "SMX5 EN" at 167.132,29.478 h1.27
  text "GND" at 167.244,27.601 h1.27
Board Shape:
  circle w0.013: c35.671,115.166 r1.25
  circle w0.013: c35.671,35.166 r1.25
  circle w0.013: c100.671,60.166 r1.25
  circle w0.013: c165.671,35.166 r1.25
  circle w0.013: c165.671,115.166 r1.25
  circle w0.013: c100.671,115.166 r1.25
  lines w0.013: 25.671,30.166 ccw(c30.671,30.166) 30.671,25.166 170.671,25.166 ccw(c170.671,30.166) 175.671,30.166 175.671,120.166 ccw(c170.671,120.166) 170.671,125.166 30.671,125.166 ccw(c30.671,120.166) 25.671,120.166 25.671,30.166